# Altium PCB PM12_CFD.PcbDoc (part 5 of 12) (continued)
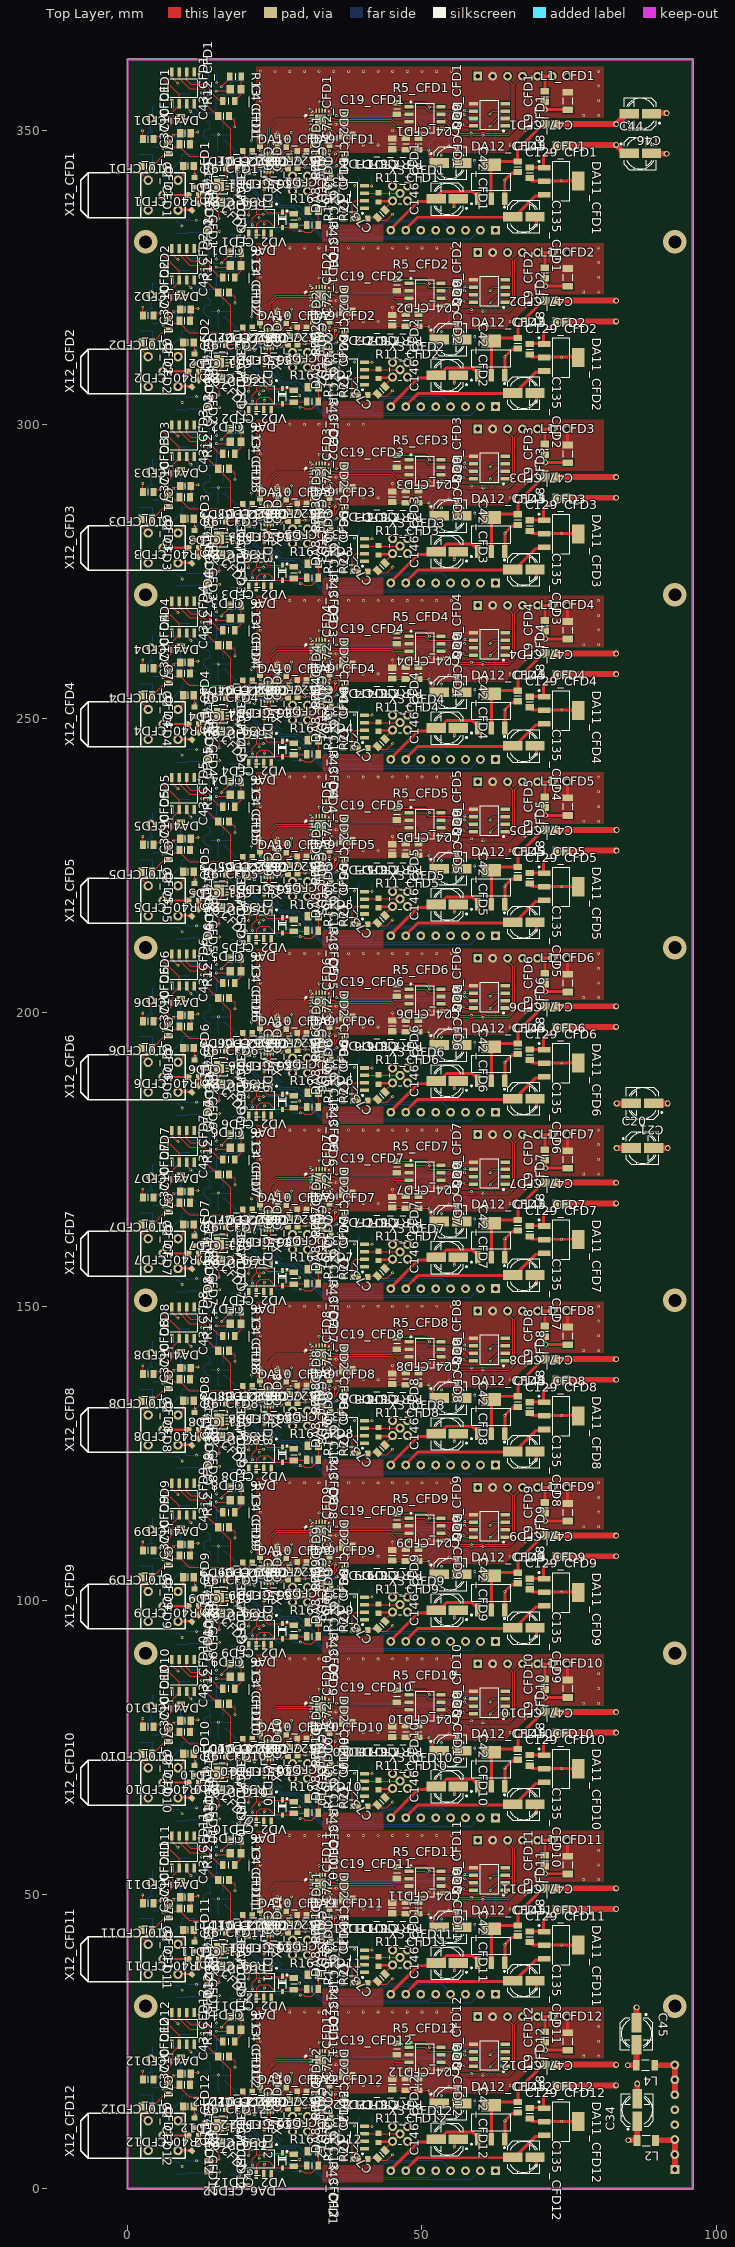
[diagram p0: Top Layer view]
## Nets (pads, with @x,y where several pads share a name; then routed paths per layer and width w, separated by ;. In a path a pad name is that pad's centre, name@x,y a point inside that pad or via, vN(x,y) a via of type N, cw(c..) or ccw(c..) an arc to the next point about the centre after c; other vN are vias at no path point) (continued)
DA6_CFD5_P: C12_CFD5.2 DA6_CFD5.3 DA20_CFD5.3 X5_CFD5.2 | length 45.8
  Top Layer w0.2: v1(21.16,213.91) 21.16,214.93 21.93,215.7 v1(23.03,215.7) ; 21.93,215.77 DA6_CFD5.3@21.93,217.3
  Bottom Layer w0.2: DA20_CFD5.3@21.16,212.3 v1(21.16,213.91) ; v1(23.03,215.7) 26.03,215.7 26.03,215.325 27.33,214.025 30.646,214.025 33.135,211.535 58.315,211.535 X5_CFD5.2@59.88,213.1
DA6_CFD6_P: C12_CFD6.2 DA6_CFD6.3 DA20_CFD6.3 X5_CFD6.2 | length 45.8
  Top Layer w0.2: v1(21.16,183.91) 21.16,184.93 21.93,185.7 v1(23.03,185.7) ; 21.93,185.77 DA6_CFD6.3@21.93,187.3
  Bottom Layer w0.2: DA20_CFD6.3@21.16,182.3 v1(21.16,183.91) ; v1(23.03,185.7) 26.03,185.7 26.03,185.325 27.33,184.025 30.646,184.025 33.135,181.535 58.315,181.535 X5_CFD6.2@59.88,183.1
DA6_CFD7_P: C12_CFD7.2 DA6_CFD7.3 DA20_CFD7.3 X5_CFD7.2 | length 45.8
  Top Layer w0.2: v1(21.16,153.91) 21.16,154.93 21.93,155.7 v1(23.03,155.7) ; 21.93,155.77 DA6_CFD7.3@21.93,157.3
  Bottom Layer w0.2: DA20_CFD7.3@21.16,152.3 v1(21.16,153.91) ; v1(23.03,155.7) 26.03,155.7 26.03,155.325 27.33,154.025 30.646,154.025 33.135,151.535 58.315,151.535 X5_CFD7.2@59.88,153.1
DA6_CFD8_P: C12_CFD8.2 DA6_CFD8.3 DA20_CFD8.3 X5_CFD8.2 | length 45.8
  Top Layer w0.2: v1(21.16,123.91) 21.16,124.93 21.93,125.7 v1(23.03,125.7) ; 21.93,125.77 DA6_CFD8.3@21.93,127.3
  Bottom Layer w0.2: DA20_CFD8.3@21.16,122.3 v1(21.16,123.91) ; v1(23.03,125.7) 26.03,125.7 26.03,125.325 27.33,124.025 30.646,124.025 33.135,121.535 58.315,121.535 X5_CFD8.2@59.88,123.1
DA6_CFD9_P: C12_CFD9.2 DA6_CFD9.3 DA20_CFD9.3 X5_CFD9.2 | length 45.8
  Top Layer w0.2: v1(21.16,93.91) 21.16,94.93 21.93,95.7 v1(23.03,95.7) ; 21.93,95.77 DA6_CFD9.3@21.93,97.3
  Bottom Layer w0.2: DA20_CFD9.3@21.16,92.3 v1(21.16,93.91) ; v1(23.03,95.7) 26.03,95.7 26.03,95.325 27.33,94.025 30.646,94.025 33.135,91.535 58.315,91.535 X5_CFD9.2@59.88,93.1
DA6_CFD10_P: C12_CFD10.2 DA6_CFD10.3 DA20_CFD10.3 X5_CFD10.2 | length 45.8
  Top Layer w0.2: v1(21.16,63.91) 21.16,64.93 21.93,65.7 v1(23.03,65.7) ; 21.93,65.77 DA6_CFD10.3@21.93,67.3
  Bottom Layer w0.2: DA20_CFD10.3@21.16,62.3 v1(21.16,63.91) ; v1(23.03,65.7) 26.03,65.7 26.03,65.325 27.33,64.025 30.646,64.025 33.135,61.535 58.315,61.535 X5_CFD10.2@59.88,63.1
DA6_CFD11_P: C12_CFD11.2 DA6_CFD11.3 DA20_CFD11.3 X5_CFD11.2 | length 45.8
  Top Layer w0.2: v1(21.16,33.91) 21.16,34.93 21.93,35.7 v1(23.03,35.7) ; 21.93,35.77 DA6_CFD11.3@21.93,37.3
  Bottom Layer w0.2: DA20_CFD11.3@21.16,32.3 v1(21.16,33.91) ; v1(23.03,35.7) 26.03,35.7 26.03,35.325 27.33,34.025 30.646,34.025 33.135,31.535 58.315,31.535 X5_CFD11.2@59.88,33.1
DA6_CFD12_P: C12_CFD12.2 DA6_CFD12.3 DA20_CFD12.3 X5_CFD12.2 | length 45.8
  Top Layer w0.2: v1(21.16,3.91) 21.16,4.93 21.93,5.7 v1(23.03,5.7) ; 21.93,5.77 DA6_CFD12.3@21.93,7.3
  Bottom Layer w0.2: DA20_CFD12.3@21.16,2.3 v1(21.16,3.91) ; v1(23.03,5.7) 26.03,5.7 26.03,5.325 27.33,4.025 30.646,4.025 33.135,1.535 58.315,1.535 X5_CFD12.2@59.88,3.1
DA6_OUT_CFD1: DA6_CFD1.6 R16_CFD1.1 R43_CFD1.1 VD2_CFD1.2 | length 11
  Top Layer w0.2: DA6_CFD1.6@21.9,332.3 21.9,334.02 22.47,334.59 23.87,334.59 24.96,333.5 26.295,333.5 27.87,333.5 28.17,333.8 R43_CFD1.1@30.37,333.8
DA6_OUT_CFD2: DA6_CFD2.6 R16_CFD2.1 R43_CFD2.1 VD2_CFD2.2 | length 11
  Top Layer w0.2: DA6_CFD2.6@21.93,302.3 21.93,304.02 22.5,304.59 23.9,304.59 24.99,303.5 26.325,303.5 27.9,303.5 28.2,303.8 R43_CFD2.1@30.4,303.8
DA6_OUT_CFD3: DA6_CFD3.6 R16_CFD3.1 R43_CFD3.1 VD2_CFD3.2 | length 11
  Top Layer w0.2: DA6_CFD3.6@21.93,272.3 21.93,274.02 22.5,274.59 23.9,274.59 24.99,273.5 26.325,273.5 27.9,273.5 28.2,273.8 R43_CFD3.1@30.4,273.8
DA6_OUT_CFD4: DA6_CFD4.6 R16_CFD4.1 R43_CFD4.1 VD2_CFD4.2 | length 11
  Top Layer w0.2: DA6_CFD4.6@21.93,242.3 21.93,244.02 22.5,244.59 23.9,244.59 24.99,243.5 26.325,243.5 27.9,243.5 28.2,243.8 R43_CFD4.1@30.4,243.8
DA6_OUT_CFD5: DA6_CFD5.6 R16_CFD5.1 R43_CFD5.1 VD2_CFD5.2 | length 11
  Top Layer w0.2: DA6_CFD5.6@21.93,212.3 21.93,214.02 22.5,214.59 23.9,214.59 24.99,213.5 26.325,213.5 27.9,213.5 28.2,213.8 R43_CFD5.1@30.4,213.8
DA6_OUT_CFD6: DA6_CFD6.6 R16_CFD6.1 R43_CFD6.1 VD2_CFD6.2 | length 11
  Top Layer w0.2: DA6_CFD6.6@21.93,182.3 21.93,184.02 22.5,184.59 23.9,184.59 24.99,183.5 26.325,183.5 27.9,183.5 28.2,183.8 R43_CFD6.1@30.4,183.8
DA6_OUT_CFD7: DA6_CFD7.6 R16_CFD7.1 R43_CFD7.1 VD2_CFD7.2 | length 11
  Top Layer w0.2: DA6_CFD7.6@21.93,152.3 21.93,154.02 22.5,154.59 23.9,154.59 24.99,153.5 26.325,153.5 27.9,153.5 28.2,153.8 R43_CFD7.1@30.4,153.8
DA6_OUT_CFD8: DA6_CFD8.6 R16_CFD8.1 R43_CFD8.1 VD2_CFD8.2 | length 11
  Top Layer w0.2: DA6_CFD8.6@21.93,122.3 21.93,124.02 22.5,124.59 23.9,124.59 24.99,123.5 26.325,123.5 27.9,123.5 28.2,123.8 R43_CFD8.1@30.4,123.8
DA6_OUT_CFD9: DA6_CFD9.6 R16_CFD9.1 R43_CFD9.1 VD2_CFD9.2 | length 11
  Top Layer w0.2: DA6_CFD9.6@21.93,92.3 21.93,94.02 22.5,94.59 23.9,94.59 24.99,93.5 26.325,93.5 27.9,93.5 28.2,93.8 R43_CFD9.1@30.4,93.8
DA6_OUT_CFD10: DA6_CFD10.6 R16_CFD10.1 R43_CFD10.1 VD2_CFD10.2 | length 11
  Top Layer w0.2: DA6_CFD10.6@21.93,62.3 21.93,64.02 22.5,64.59 23.9,64.59 24.99,63.5 26.325,63.5 27.9,63.5 28.2,63.8 R43_CFD10.1@30.4,63.8
DA6_OUT_CFD11: DA6_CFD11.6 R16_CFD11.1 R43_CFD11.1 VD2_CFD11.2 | length 11
  Top Layer w0.2: DA6_CFD11.6@21.93,32.3 21.93,34.02 22.5,34.59 23.9,34.59 24.99,33.5 26.325,33.5 27.9,33.5 28.2,33.8 R43_CFD11.1@30.4,33.8
DA6_OUT_CFD12: DA6_CFD12.6 R16_CFD12.1 R43_CFD12.1 VD2_CFD12.2 | length 11
  Top Layer w0.2: DA6_CFD12.6@21.93,2.3 21.93,4.02 22.5,4.59 23.9,4.59 24.99,3.5 26.325,3.5 27.9,3.5 28.2,3.8 R43_CFD12.1@30.4,3.8
DA8_CFD1_N: C73_CFD1.2 R21_CFD1.1 X5_CFD1.1 | length 5.1
  Top Layer w0.2: R21_CFD1.1@40.52,335 40.653,335.133 41.937,335.133 42.335,334.735 44.005,334.735 44.482,335.212 v1(44.97,335.7)
DA8_CFD1_OUT: 
DA8_CFD1_P: DA8_CFD1.3 R11_CFD1.2 X3_CFD1.1 | length 6.3
  Top Layer w0.15: DA8_CFD1.3@39.97,339.27 42.57,339.27 X3_CFD1.1@46.27,339.27
DA8_CFD2_N: C73_CFD2.2 R21_CFD2.1 X5_CFD2.1 | length 5.1
  Top Layer w0.2: R21_CFD2.1@40.55,305 40.683,305.133 41.967,305.133 42.365,304.735 44.035,304.735 v1(45,305.7)
DA8_CFD2_P: DA8_CFD2.3 R11_CFD2.2 X3_CFD2.1 | length 6.3
  Top Layer w0.15: DA8_CFD2.3@40,309.27 42.6,309.27 X3_CFD2.1@46.3,309.27
DA8_CFD3_N: C73_CFD3.2 R21_CFD3.1 X5_CFD3.1 | length 5.1
  Top Layer w0.2: R21_CFD3.1@40.55,275 40.683,275.133 41.967,275.133 42.365,274.735 44.035,274.735 v1(45,275.7)
DA8_CFD3_P: DA8_CFD3.3 R11_CFD3.2 X3_CFD3.1 | length 6.3
  Top Layer w0.15: DA8_CFD3.3@40,279.27 42.6,279.27 X3_CFD3.1@46.3,279.27
DA8_CFD4_N: C73_CFD4.2 R21_CFD4.1 X5_CFD4.1 | length 5.1
  Top Layer w0.2: R21_CFD4.1@40.55,245 40.683,245.133 41.967,245.133 42.365,244.735 44.035,244.735 v1(45,245.7)
DA8_CFD4_P: DA8_CFD4.3 R11_CFD4.2 X3_CFD4.1 | length 6.3
  Top Layer w0.15: DA8_CFD4.3@40,249.27 42.6,249.27 X3_CFD4.1@46.3,249.27
DA8_CFD5_N: C73_CFD5.2 R21_CFD5.1 X5_CFD5.1 | length 5.1
  Top Layer w0.2: R21_CFD5.1@40.55,215 40.683,215.133 41.967,215.133 42.365,214.735 44.035,214.735 v1(45,215.7)
DA8_CFD5_P: DA8_CFD5.3 R11_CFD5.2 X3_CFD5.1 | length 6.3
  Top Layer w0.15: DA8_CFD5.3@40,219.27 42.6,219.27 X3_CFD5.1@46.3,219.27
DA8_CFD6_N: C73_CFD6.2 R21_CFD6.1 X5_CFD6.1 | length 5.1
  Top Layer w0.2: R21_CFD6.1@40.55,185 40.683,185.133 41.967,185.133 42.365,184.735 44.035,184.735 v1(45,185.7)
DA8_CFD6_P: DA8_CFD6.3 R11_CFD6.2 X3_CFD6.1 | length 6.3
  Top Layer w0.15: DA8_CFD6.3@40,189.27 42.6,189.27 X3_CFD6.1@46.3,189.27
DA8_CFD7_N: C73_CFD7.2 R21_CFD7.1 X5_CFD7.1 | length 5.1
  Top Layer w0.2: R21_CFD7.1@40.55,155 40.683,155.133 41.967,155.133 42.365,154.735 44.035,154.735 v1(45,155.7)
DA8_CFD7_P: DA8_CFD7.3 R11_CFD7.2 X3_CFD7.1 | length 6.3
  Top Layer w0.15: DA8_CFD7.3@40,159.27 42.6,159.27 X3_CFD7.1@46.3,159.27
DA8_CFD8_N: C73_CFD8.2 R21_CFD8.1 X5_CFD8.1 | length 5.1
  Top Layer w0.2: R21_CFD8.1@40.55,125 40.683,125.133 41.967,125.133 42.365,124.735 44.035,124.735 v1(45,125.7)
DA8_CFD8_P: DA8_CFD8.3 R11_CFD8.2 X3_CFD8.1 | length 6.3
  Top Layer w0.15: DA8_CFD8.3@40,129.27 42.6,129.27 X3_CFD8.1@46.3,129.27
DA8_CFD9_N: C73_CFD9.2 R21_CFD9.1 X5_CFD9.1 | length 5.1
  Top Layer w0.2: R21_CFD9.1@40.55,95 40.683,95.133 41.967,95.133 42.365,94.735 44.035,94.735 v1(45,95.7)
DA8_CFD9_P: DA8_CFD9.3 R11_CFD9.2 X3_CFD9.1 | length 6.3
  Top Layer w0.15: DA8_CFD9.3@40,99.27 42.6,99.27 X3_CFD9.1@46.3,99.27
DA8_CFD10_N: C73_CFD10.2 R21_CFD10.1 X5_CFD10.1 | length 5.1
  Top Layer w0.2: R21_CFD10.1@40.55,65 40.683,65.133 41.967,65.133 42.365,64.735 44.035,64.735 v1(45,65.7)
DA8_CFD10_P: DA8_CFD10.3 R11_CFD10.2 X3_CFD10.1 | length 6.3
  Top Layer w0.15: DA8_CFD10.3@40,69.27 42.6,69.27 X3_CFD10.1@46.3,69.27
DA8_CFD11_N: C73_CFD11.2 R21_CFD11.1 X5_CFD11.1 | length 5.1
  Top Layer w0.2: R21_CFD11.1@40.55,35 40.683,35.133 41.967,35.133 42.365,34.735 44.035,34.735 v1(45,35.7)
DA8_CFD11_P: DA8_CFD11.3 R11_CFD11.2 X3_CFD11.1 | length 6.3
  Top Layer w0.15: DA8_CFD11.3@40,39.27 42.6,39.27 X3_CFD11.1@46.3,39.27
DA8_CFD12_N: C73_CFD12.2 R21_CFD12.1 X5_CFD12.1 | length 5.1
  Top Layer w0.2: R21_CFD12.1@40.55,5 40.683,5.133 41.967,5.133 42.365,4.735 44.035,4.735 v1(45,5.7)
DA8_CFD12_P: DA8_CFD12.3 R11_CFD12.2 X3_CFD12.1 | length 6.3
  Top Layer w0.15: DA8_CFD12.3@40,9.27 42.6,9.27 X3_CFD12.1@46.3,9.27
DA8_OUT_CFD1: DA8_CFD1.6 DA9_CFD1.3 R19_CFD1.2 | length 10.9
  Top Layer w0.12: 33.07,342.62 33.745,341.945 33.745,339.425 33.9,339.27 DA8_CFD1.6@34.97,339.27
  Top Layer w0.15: 33.07,342.62 DA9_CFD1.3@33.07,343 ; DA8_CFD1.6@34.97,339.27 36.2,339.27 36.77,338.7 R19_CFD1.2@36.77,335
DA8_OUT_CFD2: DA8_CFD2.6 DA9_CFD2.3 R19_CFD2.2 | length 10.9
  Top Layer w0.12: 33.1,312.62 33.775,311.945 33.775,309.425 33.93,309.27 DA8_CFD2.6@35,309.27
  Top Layer w0.15: 33.1,312.62 DA9_CFD2.3@33.1,313 ; DA8_CFD2.6@35,309.27 36.23,309.27 36.8,308.7 R19_CFD2.2@36.8,305
DA8_OUT_CFD3: DA8_CFD3.6 DA9_CFD3.3 R19_CFD3.2 | length 10.9
  Top Layer w0.12: 33.1,282.62 33.775,281.945 33.775,279.425 33.93,279.27 DA8_CFD3.6@35,279.27
  Top Layer w0.15: 33.1,282.62 DA9_CFD3.3@33.1,283 ; DA8_CFD3.6@35,279.27 36.23,279.27 36.8,278.7 R19_CFD3.2@36.8,275
DA8_OUT_CFD4: DA8_CFD4.6 DA9_CFD4.3 R19_CFD4.2 | length 10.9
  Top Layer w0.12: 33.1,252.62 33.775,251.945 33.775,249.425 33.93,249.27 DA8_CFD4.6@35,249.27
  Top Layer w0.15: 33.1,252.62 DA9_CFD4.3@33.1,253 ; DA8_CFD4.6@35,249.27 36.23,249.27 36.8,248.7 R19_CFD4.2@36.8,245
DA8_OUT_CFD5: DA8_CFD5.6 DA9_CFD5.3 R19_CFD5.2 | length 10.9
  Top Layer w0.12: 33.1,222.62 33.775,221.945 33.775,219.425 33.93,219.27 DA8_CFD5.6@35,219.27
  Top Layer w0.15: 33.1,222.62 DA9_CFD5.3@33.1,223 ; DA8_CFD5.6@35,219.27 36.23,219.27 36.8,218.7 R19_CFD5.2@36.8,215
DA8_OUT_CFD6: DA8_CFD6.6 DA9_CFD6.3 R19_CFD6.2 | length 10.9
  Top Layer w0.12: 33.1,192.62 33.775,191.945 33.775,189.425 33.93,189.27 DA8_CFD6.6@35,189.27
  Top Layer w0.15: 33.1,192.62 DA9_CFD6.3@33.1,193 ; DA8_CFD6.6@35,189.27 36.23,189.27 36.8,188.7 R19_CFD6.2@36.8,185
DA8_OUT_CFD7: DA8_CFD7.6 DA9_CFD7.3 R19_CFD7.2 | length 10.9
  Top Layer w0.12: 33.1,162.62 33.775,161.945 33.775,159.425 33.93,159.27 DA8_CFD7.6@35,159.27
  Top Layer w0.15: 33.1,162.62 DA9_CFD7.3@33.1,163 ; DA8_CFD7.6@35,159.27 36.23,159.27 36.8,158.7 R19_CFD7.2@36.8,155
DA8_OUT_CFD8: DA8_CFD8.6 DA9_CFD8.3 R19_CFD8.2 | length 10.9
  Top Layer w0.12: 33.1,132.62 33.775,131.945 33.775,129.425 33.93,129.27 DA8_CFD8.6@35,129.27
  Top Layer w0.15: 33.1,132.62 DA9_CFD8.3@33.1,133 ; DA8_CFD8.6@35,129.27 36.23,129.27 36.8,128.7 R19_CFD8.2@36.8,125
DA8_OUT_CFD9: DA8_CFD9.6 DA9_CFD9.3 R19_CFD9.2 | length 10.9
  Top Layer w0.12: 33.1,102.62 33.775,101.945 33.775,99.425 33.93,99.27 DA8_CFD9.6@35,99.27
  Top Layer w0.15: 33.1,102.62 DA9_CFD9.3@33.1,103 ; DA8_CFD9.6@35,99.27 36.23,99.27 36.8,98.7 R19_CFD9.2@36.8,95
DA8_OUT_CFD10: DA8_CFD10.6 DA9_CFD10.3 R19_CFD10.2 | length 10.9
  Top Layer w0.12: 33.1,72.62 33.775,71.945 33.775,69.425 33.93,69.27 DA8_CFD10.6@35,69.27
  Top Layer w0.15: 33.1,72.62 DA9_CFD10.3@33.1,73 ; DA8_CFD10.6@35,69.27 36.23,69.27 36.8,68.7 R19_CFD10.2@36.8,65
DA8_OUT_CFD11: DA8_CFD11.6 DA9_CFD11.3 R19_CFD11.2 | length 10.9
  Top Layer w0.12: 33.1,42.62 33.775,41.945 33.775,39.425 33.93,39.27 DA8_CFD11.6@35,39.27
  Top Layer w0.15: 33.1,42.62 DA9_CFD11.3@33.1,43 ; DA8_CFD11.6@35,39.27 36.23,39.27 36.8,38.7 R19_CFD11.2@36.8,35
DA8_OUT_CFD12: DA8_CFD12.6 DA9_CFD12.3 R19_CFD12.2 | length 10.9
  Top Layer w0.12: 33.1,12.62 33.775,11.945 33.775,9.425 33.93,9.27 DA8_CFD12.6@35,9.27
  Top Layer w0.15: 33.1,12.62 DA9_CFD12.3@33.1,13 ; DA8_CFD12.6@35,9.27 36.23,9.27 36.8,8.7 R19_CFD12.2@36.8,5
DA9_CFD1_Q_N: 
DA9_CFD1_Q_P: 
DA9_Q_CFD1_N: DA9_CFD1.10 DD2_CFD1.7 | length 4.4
  Top Layer w0.2: DD2_CFD1.7@33.02,350.28 33.02,349.68 32.945,349.605 32.945,346.725 33.07,346.6 DA9_CFD1.10@33.07,346
DA9_Q_CFD1_P: DA9_CFD1.11 DD2_CFD1.6 | length 4.3
  Top Layer w0.2: DD2_CFD1.6@32.52,350.28 32.52,349.68 32.595,349.605 32.595,346.625 32.57,346.6 DA9_CFD1.11@32.57,346
DA9_Q_CFD2_N: DA9_CFD2.10 DD2_CFD2.7 | length 4.4
  Top Layer w0.2: DD2_CFD2.7@33.05,320.28 33.05,319.68 32.975,319.605 32.975,316.725 33.1,316.6 DA9_CFD2.10@33.1,316
DA9_Q_CFD2_P: DA9_CFD2.11 DD2_CFD2.6 | length 4.3
  Top Layer w0.2: DD2_CFD2.6@32.55,320.28 32.55,319.68 32.625,319.605 32.625,316.625 32.6,316.6 DA9_CFD2.11@32.6,316
DA9_Q_CFD3_N: DA9_CFD3.10 DD2_CFD3.7 | length 4.4
  Top Layer w0.2: DD2_CFD3.7@33.05,290.28 33.05,289.68 32.975,289.605 32.975,286.725 33.1,286.6 DA9_CFD3.10@33.1,286
DA9_Q_CFD3_P: DA9_CFD3.11 DD2_CFD3.6 | length 4.3
  Top Layer w0.2: DD2_CFD3.6@32.55,290.28 32.55,289.68 32.625,289.605 32.625,286.625 32.6,286.6 DA9_CFD3.11@32.6,286
DA9_Q_CFD4_N: DA9_CFD4.10 DD2_CFD4.7 | length 4.4
  Top Layer w0.2: DD2_CFD4.7@33.05,260.28 33.05,259.68 32.975,259.605 32.975,256.725 33.1,256.6 DA9_CFD4.10@33.1,256
DA9_Q_CFD4_P: DA9_CFD4.11 DD2_CFD4.6 | length 4.3
  Top Layer w0.2: DD2_CFD4.6@32.55,260.28 32.55,259.68 32.625,259.605 32.625,256.625 32.6,256.6 DA9_CFD4.11@32.6,256
DA9_Q_CFD5_N: DA9_CFD5.10 DD2_CFD5.7 | length 4.4
  Top Layer w0.2: DD2_CFD5.7@33.05,230.28 33.05,229.68 32.975,229.605 32.975,226.725 33.1,226.6 DA9_CFD5.10@33.1,226
DA9_Q_CFD5_P: DA9_CFD5.11 DD2_CFD5.6 | length 4.3
  Top Layer w0.2: DD2_CFD5.6@32.55,230.28 32.55,229.68 32.625,229.605 32.625,226.625 32.6,226.6 DA9_CFD5.11@32.6,226
DA9_Q_CFD6_N: DA9_CFD6.10 DD2_CFD6.7 | length 4.4
  Top Layer w0.2: DD2_CFD6.7@33.05,200.28 33.05,199.68 32.975,199.605 32.975,196.725 33.1,196.6 DA9_CFD6.10@33.1,196
DA9_Q_CFD6_P: DA9_CFD6.11 DD2_CFD6.6 | length 4.3
  Top Layer w0.2: DD2_CFD6.6@32.55,200.28 32.55,199.68 32.625,199.605 32.625,196.625 32.6,196.6 DA9_CFD6.11@32.6,196
DA9_Q_CFD7_N: DA9_CFD7.10 DD2_CFD7.7 | length 4.4
  Top Layer w0.2: DD2_CFD7.7@33.05,170.28 33.05,169.68 32.975,169.605 32.975,166.725 33.1,166.6 DA9_CFD7.10@33.1,166
DA9_Q_CFD7_P: DA9_CFD7.11 DD2_CFD7.6 | length 4.3
  Top Layer w0.2: DD2_CFD7.6@32.55,170.28 32.55,169.68 32.625,169.605 32.625,166.625 32.6,166.6 DA9_CFD7.11@32.6,166
DA9_Q_CFD8_N: DA9_CFD8.10 DD2_CFD8.7 | length 4.4
  Top Layer w0.2: DD2_CFD8.7@33.05,140.28 33.05,139.68 32.975,139.605 32.975,136.725 33.1,136.6 DA9_CFD8.10@33.1,136
DA9_Q_CFD8_P: DA9_CFD8.11 DD2_CFD8.6 | length 4.3
  Top Layer w0.2: DD2_CFD8.6@32.55,140.28 32.55,139.68 32.625,139.605 32.625,136.625 32.6,136.6 DA9_CFD8.11@32.6,136
DA9_Q_CFD9_N: DA9_CFD9.10 DD2_CFD9.7 | length 4.4
  Top Layer w0.2: DD2_CFD9.7@33.05,110.28 33.05,109.68 32.975,109.605 32.975,106.725 33.1,106.6 DA9_CFD9.10@33.1,106
DA9_Q_CFD9_P: DA9_CFD9.11 DD2_CFD9.6 | length 4.3
  Top Layer w0.2: DD2_CFD9.6@32.55,110.28 32.55,109.68 32.625,109.605 32.625,106.625 32.6,106.6 DA9_CFD9.11@32.6,106
DA9_Q_CFD10_N: DA9_CFD10.10 DD2_CFD10.7 | length 4.4
  Top Layer w0.2: DD2_CFD10.7@33.05,80.28 33.05,79.68 32.975,79.605 32.975,76.725 33.1,76.6 DA9_CFD10.10@33.1,76
DA9_Q_CFD10_P: DA9_CFD10.11 DD2_CFD10.6 | length 4.3
  Top Layer w0.2: DD2_CFD10.6@32.55,80.28 32.55,79.68 32.625,79.605 32.625,76.625 32.6,76.6 DA9_CFD10.11@32.6,76
DA9_Q_CFD11_N: DA9_CFD11.10 DD2_CFD11.7 | length 4.4
  Top Layer w0.2: DD2_CFD11.7@33.05,50.28 33.05,49.68 32.975,49.605 32.975,46.725 33.1,46.6 DA9_CFD11.10@33.1,46
DA9_Q_CFD11_P: DA9_CFD11.11 DD2_CFD11.6 | length 4.3
  Top Layer w0.2: DD2_CFD11.6@32.55,50.28 32.55,49.68 32.625,49.605 32.625,46.625 32.6,46.6 DA9_CFD11.11@32.6,46
DA9_Q_CFD12_N: DA9_CFD12.10 DD2_CFD12.7 | length 4.4
  Top Layer w0.2: DD2_CFD12.7@33.05,20.28 33.05,19.68 32.975,19.605 32.975,16.725 33.1,16.6 DA9_CFD12.10@33.1,16
DA9_Q_CFD12_P: DA9_CFD12.11 DD2_CFD12.6 | length 4.3
  Top Layer w0.2: DD2_CFD12.6@32.55,20.28 32.55,19.68 32.625,19.605 32.625,16.625 32.6,16.6 DA9_CFD12.11@32.6,16
DA10_CFD1_LE: 
DA10_CFD1_Q_N: 
DA10_CFD1_Q_P: 
DA10_LE_CFD1: DA9_CFD1.7 DA10_CFD1.7 R20_CFD1.2 | length 6.8
  Top Layer w0.2: DA10_CFD1.7@25.47,344.75 25.886,344.75 26.22,345.084 26.22,345.719 26.901,346.4 v1(27.7,346.4) ; DA9_CFD1.7@34.32,344.75 34.777,344.75 35.12,345.093 35.12,345.85 v1(35.27,346)
  Bottom Layer w0.2: v1(35.27,346) 35.27,347.5 R20_CFD1.2@35.37,347.6
DA10_LE_CFD2: DA9_CFD2.7 DA10_CFD2.7 R20_CFD2.2 | length 6.8
  Top Layer w0.2: DA10_CFD2.7@25.5,314.75 25.916,314.75 26.25,315.084 26.25,315.719 26.931,316.4 v1(27.73,316.4) ; DA9_CFD2.7@34.35,314.75 34.807,314.75 35.15,315.093 35.15,315.85 v1(35.3,316)
  Bottom Layer w0.2: v1(35.3,316) 35.3,317.5 R20_CFD2.2@35.4,317.6
DA10_LE_CFD3: DA9_CFD3.7 DA10_CFD3.7 R20_CFD3.2 | length 6.8
  Top Layer w0.2: DA10_CFD3.7@25.5,284.75 25.916,284.75 26.25,285.084 26.25,285.719 26.931,286.4 v1(27.73,286.4) ; DA9_CFD3.7@34.35,284.75 34.807,284.75 35.15,285.093 35.15,285.85 v1(35.3,286)
  Bottom Layer w0.2: v1(35.3,286) 35.3,287.5 R20_CFD3.2@35.4,287.6
DA10_LE_CFD4: DA9_CFD4.7 DA10_CFD4.7 R20_CFD4.2 | length 6.8
  Top Layer w0.2: DA10_CFD4.7@25.5,254.75 25.916,254.75 26.25,255.084 26.25,255.719 26.931,256.4 v1(27.73,256.4) ; DA9_CFD4.7@34.35,254.75 34.807,254.75 35.15,255.093 35.15,255.85 v1(35.3,256)
  Bottom Layer w0.2: v1(35.3,256) 35.3,257.5 R20_CFD4.2@35.4,257.6
DA10_LE_CFD5: DA9_CFD5.7 DA10_CFD5.7 R20_CFD5.2 | length 6.8
  Top Layer w0.2: DA10_CFD5.7@25.5,224.75 25.916,224.75 26.25,225.084 26.25,225.719 26.931,226.4 v1(27.73,226.4) ; DA9_CFD5.7@34.35,224.75 34.807,224.75 35.15,225.093 35.15,225.85 v1(35.3,226)
  Bottom Layer w0.2: v1(35.3,226) 35.3,227.5 R20_CFD5.2@35.4,227.6
DA10_LE_CFD6: DA9_CFD6.7 DA10_CFD6.7 R20_CFD6.2 | length 6.8
  Top Layer w0.2: DA10_CFD6.7@25.5,194.75 25.916,194.75 26.25,195.084 26.25,195.719 26.931,196.4 v1(27.73,196.4) ; DA9_CFD6.7@34.35,194.75 34.807,194.75 35.15,195.093 35.15,195.85 v1(35.3,196)
  Bottom Layer w0.2: v1(35.3,196) 35.3,197.5 R20_CFD6.2@35.4,197.6
DA10_LE_CFD7: DA9_CFD7.7 DA10_CFD7.7 R20_CFD7.2 | length 6.8
  Top Layer w0.2: DA10_CFD7.7@25.5,164.75 25.916,164.75 26.25,165.084 26.25,165.719 26.931,166.4 v1(27.73,166.4) ; DA9_CFD7.7@34.35,164.75 34.807,164.75 35.15,165.093 35.15,165.85 v1(35.3,166)
  Bottom Layer w0.2: v1(35.3,166) 35.3,167.5 R20_CFD7.2@35.4,167.6
DA10_LE_CFD8: DA9_CFD8.7 DA10_CFD8.7 R20_CFD8.2 | length 6.8
  Top Layer w0.2: DA10_CFD8.7@25.5,134.75 25.916,134.75 26.25,135.084 26.25,135.719 26.931,136.4 v1(27.73,136.4) ; DA9_CFD8.7@34.35,134.75 34.807,134.75 35.15,135.093 35.15,135.85 v1(35.3,136)
  Bottom Layer w0.2: v1(35.3,136) 35.3,137.5 R20_CFD8.2@35.4,137.6
DA10_LE_CFD9: DA9_CFD9.7 DA10_CFD9.7 R20_CFD9.2 | length 6.8
  Top Layer w0.2: DA10_CFD9.7@25.5,104.75 25.916,104.75 26.25,105.084 26.25,105.719 26.931,106.4 v1(27.73,106.4) ; DA9_CFD9.7@34.35,104.75 34.807,104.75 35.15,105.093 35.15,105.85 v1(35.3,106)
  Bottom Layer w0.2: v1(35.3,106) 35.3,107.5 R20_CFD9.2@35.4,107.6
DA10_LE_CFD10: DA9_CFD10.7 DA10_CFD10.7 R20_CFD10.2 | length 6.8
  Top Layer w0.2: DA10_CFD10.7@25.5,74.75 25.916,74.75 26.25,75.084 26.25,75.719 26.931,76.4 v1(27.73,76.4) ; DA9_CFD10.7@34.35,74.75 34.807,74.75 35.15,75.093 35.15,75.85 v1(35.3,76)
  Bottom Layer w0.2: v1(35.3,76) 35.3,77.5 R20_CFD10.2@35.4,77.6
DA10_LE_CFD11: DA9_CFD11.7 DA10_CFD11.7 R20_CFD11.2 | length 6.8
  Top Layer w0.2: DA10_CFD11.7@25.5,44.75 25.916,44.75 26.25,45.084 26.25,45.719 26.931,46.4 v1(27.73,46.4) ; DA9_CFD11.7@34.35,44.75 34.807,44.75 35.15,45.093 35.15,45.85 v1(35.3,46)
  Bottom Layer w0.2: v1(35.3,46) 35.3,47.5 R20_CFD11.2@35.4,47.6
DA10_LE_CFD12: DA9_CFD12.7 DA10_CFD12.7 R20_CFD12.2 | length 6.8
  Top Layer w0.2: DA10_CFD12.7@25.5,14.75 25.916,14.75 26.25,15.084 26.25,15.719 26.931,16.4 v1(27.73,16.4) ; DA9_CFD12.7@34.35,14.75 34.807,14.75 35.15,15.093 35.15,15.85 v1(35.3,16)
  Bottom Layer w0.2: v1(35.3,16) 35.3,17.5 R20_CFD12.2@35.4,17.6
DA10_Q_CFD1_N: DA10_CFD1.10 DD2_CFD1.3 | length 12.1
  Top Layer w0.2: DA10_CFD1.10@24.22,346 24.22,346.6 24.145,346.675 24.145,350.38 25.365,351.6 30.6,351.6 30.67,351.53 DD2_CFD1.3@31.27,351.53
DA10_Q_CFD1_P: DA10_CFD1.11 DD2_CFD1.2 pad.1@30.07,352.4 | length 13.1
  Top Layer w0.2: DA10_CFD1.11@23.72,346 23.72,346.6 23.795,346.675 23.795,350.525 25.22,351.95 30.07,351.95 ; pad.1@30.07,352.4 30.07,351.95 ; DD2_CFD1.2@31.27,352.03 30.67,352.03 30.59,351.95 30.07,351.95
DA10_Q_CFD2_N: DA10_CFD2.10 DD2_CFD2.3 | length 12.1
  Top Layer w0.2: DA10_CFD2.10@24.25,316 24.25,316.6 24.175,316.675 24.175,320.38 25.395,321.6 30.63,321.6 30.7,321.53 DD2_CFD2.3@31.3,321.53
DA10_Q_CFD2_P: DA10_CFD2.11 DD2_CFD2.2 pad.1@30.1,322.4 | length 13.1
  Top Layer w0.2: DA10_CFD2.11@23.75,316 23.75,316.6 23.825,316.675 23.825,320.525 25.25,321.95 30.1,321.95 ; pad.1@30.1,322.4 30.1,321.95 ; DD2_CFD2.2@31.3,322.03 30.7,322.03 30.62,321.95 30.1,321.95
DA10_Q_CFD3_N: DA10_CFD3.10 DD2_CFD3.3 | length 12.1
  Top Layer w0.2: DA10_CFD3.10@24.25,286 24.25,286.6 24.175,286.675 24.175,290.38 25.395,291.6 30.63,291.6 30.7,291.53 DD2_CFD3.3@31.3,291.53
DA10_Q_CFD3_P: DA10_CFD3.11 DD2_CFD3.2 pad.1@30.1,292.4 | length 13.1
  Top Layer w0.2: DA10_CFD3.11@23.75,286 23.75,286.6 23.825,286.675 23.825,290.525 25.25,291.95 30.1,291.95 ; pad.1@30.1,292.4 30.1,291.95 ; DD2_CFD3.2@31.3,292.03 30.7,292.03 30.62,291.95 30.1,291.95
DA10_Q_CFD4_N: DA10_CFD4.10 DD2_CFD4.3 | length 12.1
  Top Layer w0.2: DA10_CFD4.10@24.25,256 24.25,256.6 24.175,256.675 24.175,260.38 25.395,261.6 30.63,261.6 30.7,261.53 DD2_CFD4.3@31.3,261.53
DA10_Q_CFD4_P: DA10_CFD4.11 DD2_CFD4.2 pad.1@30.1,262.4 | length 13.1
  Top Layer w0.2: DA10_CFD4.11@23.75,256 23.75,256.6 23.825,256.675 23.825,260.525 25.25,261.95 30.1,261.95 ; pad.1@30.1,262.4 30.1,261.95 ; DD2_CFD4.2@31.3,262.03 30.7,262.03 30.62,261.95 30.1,261.95
DA10_Q_CFD5_N: DA10_CFD5.10 DD2_CFD5.3 | length 12.1
  Top Layer w0.2: DA10_CFD5.10@24.25,226 24.25,226.6 24.175,226.675 24.175,230.38 25.395,231.6 30.63,231.6 30.7,231.53 DD2_CFD5.3@31.3,231.53
DA10_Q_CFD5_P: DA10_CFD5.11 DD2_CFD5.2 pad.1@30.1,232.4 | length 13.1
  Top Layer w0.2: DA10_CFD5.11@23.75,226 23.75,226.6 23.825,226.675 23.825,230.525 25.25,231.95 30.1,231.95 ; pad.1@30.1,232.4 30.1,231.95 ; DD2_CFD5.2@31.3,232.03 30.7,232.03 30.62,231.95 30.1,231.95
DA10_Q_CFD6_N: DA10_CFD6.10 DD2_CFD6.3 | length 12.1
  Top Layer w0.2: DA10_CFD6.10@24.25,196 24.25,196.6 24.175,196.675 24.175,200.38 25.395,201.6 30.63,201.6 30.7,201.53 DD2_CFD6.3@31.3,201.53
DA10_Q_CFD6_P: DA10_CFD6.11 DD2_CFD6.2 pad.1@30.1,202.4 | length 13.1
  Top Layer w0.2: DA10_CFD6.11@23.75,196 23.75,196.6 23.825,196.675 23.825,200.525 25.25,201.95 30.1,201.95 ; pad.1@30.1,202.4 30.1,201.95 ; DD2_CFD6.2@31.3,202.03 30.7,202.03 30.62,201.95 30.1,201.95
DA10_Q_CFD7_N: DA10_CFD7.10 DD2_CFD7.3 | length 12.1
  Top Layer w0.2: DA10_CFD7.10@24.25,166 24.25,166.6 24.175,166.675 24.175,170.38 25.395,171.6 30.63,171.6 30.7,171.53 DD2_CFD7.3@31.3,171.53
DA10_Q_CFD7_P: DA10_CFD7.11 DD2_CFD7.2 pad.1@30.1,172.4 | length 13.1
  Top Layer w0.2: DA10_CFD7.11@23.75,166 23.75,166.6 23.825,166.675 23.825,170.525 25.25,171.95 30.1,171.95 ; pad.1@30.1,172.4 30.1,171.95 ; DD2_CFD7.2@31.3,172.03 30.7,172.03 30.62,171.95 30.1,171.95
DA10_Q_CFD8_N: DA10_CFD8.10 DD2_CFD8.3 | length 12.1
  Top Layer w0.2: DA10_CFD8.10@24.25,136 24.25,136.6 24.175,136.675 24.175,140.38 25.395,141.6 30.63,141.6 30.7,141.53 DD2_CFD8.3@31.3,141.53
DA10_Q_CFD8_P: DA10_CFD8.11 DD2_CFD8.2 pad.1@30.1,142.4 | length 13.1
  Top Layer w0.2: DA10_CFD8.11@23.75,136 23.75,136.6 23.825,136.675 23.825,140.525 25.25,141.95 30.1,141.95 ; pad.1@30.1,142.4 30.1,141.95 ; DD2_CFD8.2@31.3,142.03 30.7,142.03 30.62,141.95 30.1,141.95
DA10_Q_CFD9_N: DA10_CFD9.10 DD2_CFD9.3 | length 12.1
  Top Layer w0.2: DA10_CFD9.10@24.25,106 24.25,106.6 24.175,106.675 24.175,110.38 25.395,111.6 30.63,111.6 30.7,111.53 DD2_CFD9.3@31.3,111.53
DA10_Q_CFD9_P: DA10_CFD9.11 DD2_CFD9.2 pad.1@30.1,112.4 | length 13.1
  Top Layer w0.2: DA10_CFD9.11@23.75,106 23.75,106.6 23.825,106.675 23.825,110.525 25.25,111.95 30.1,111.95 ; pad.1@30.1,112.4 30.1,111.95 ; DD2_CFD9.2@31.3,112.03 30.7,112.03 30.62,111.95 30.1,111.95
DA10_Q_CFD10_N: DA10_CFD10.10 DD2_CFD10.3 | length 12.1
  Top Layer w0.2: DA10_CFD10.10@24.25,76 24.25,76.6 24.175,76.675 24.175,80.38 25.395,81.6 30.63,81.6 30.7,81.53 DD2_CFD10.3@31.3,81.53
DA10_Q_CFD10_P: DA10_CFD10.11 DD2_CFD10.2 pad.1@30.1,82.4 | length 13.1
  Top Layer w0.2: DA10_CFD10.11@23.75,76 23.75,76.6 23.825,76.675 23.825,80.525 25.25,81.95 30.1,81.95 ; pad.1@30.1,82.4 30.1,81.95 ; DD2_CFD10.2@31.3,82.03 30.7,82.03 30.62,81.95 30.1,81.95
DA10_Q_CFD11_N: DA10_CFD11.10 DD2_CFD11.3 | length 12.1
  Top Layer w0.2: DA10_CFD11.10@24.25,46 24.25,46.6 24.175,46.675 24.175,50.38 25.395,51.6 30.63,51.6 30.7,51.53 DD2_CFD11.3@31.3,51.53
DA10_Q_CFD11_P: DA10_CFD11.11 DD2_CFD11.2 pad.1@30.1,52.4 | length 13.1
  Top Layer w0.2: DA10_CFD11.11@23.75,46 23.75,46.6 23.825,46.675 23.825,50.525 25.25,51.95 30.1,51.95 ; pad.1@30.1,52.4 30.1,51.95 ; DD2_CFD11.2@31.3,52.03 30.7,52.03 30.62,51.95 30.1,51.95
DA10_Q_CFD12_N: DA10_CFD12.10 DD2_CFD12.3 | length 12.1
  Top Layer w0.2: DA10_CFD12.10@24.25,16 24.25,16.6 24.175,16.675 24.175,20.38 25.395,21.6 30.63,21.6 30.7,21.53 DD2_CFD12.3@31.3,21.53
DA10_Q_CFD12_P: DA10_CFD12.11 DD2_CFD12.2 pad.1@30.1,22.4 | length 13.1
  Top Layer w0.2: DA10_CFD12.11@23.75,16 23.75,16.6 23.825,16.675 23.825,20.525 25.25,21.95 30.1,21.95 ; pad.1@30.1,22.4 30.1,21.95 ; DD2_CFD12.2@31.3,22.03 30.7,22.03 30.62,21.95 30.1,21.95
DA10_VP_CFD1: R24_CFD1.1 X5_CFD1.4 | length 30.8
  Bottom Layer w0.2: R24_CFD1.1@27.57,338.2 29.334,338.2 34.524,333.01 41.885,333.01 43.625,334.75 53.3,334.75 X5_CFD1.4@54.85,333.2
DA10_VP_CFD2: R24_CFD2.1 X5_CFD2.4 | length 30.8
  Bottom Layer w0.2: R24_CFD2.1@27.6,308.2 29.364,308.2 34.554,303.01 41.915,303.01 43.655,304.75 53.33,304.75 X5_CFD2.4@54.88,303.2